# Altium PCB 2014_FDP_PCB.PcbDoc (part 3 of 4)
Units mil, origin at the board's own origin, x right, y up, seen from the top; angles counter-clockwise.
Board outline 4330.71 x 10236.22 mil, 4 copper layers (1-TOP, 2-GND, 3-SIGNAL, 4-BOT); 394 components, 292 nets, 1439 pads, 525 vias.
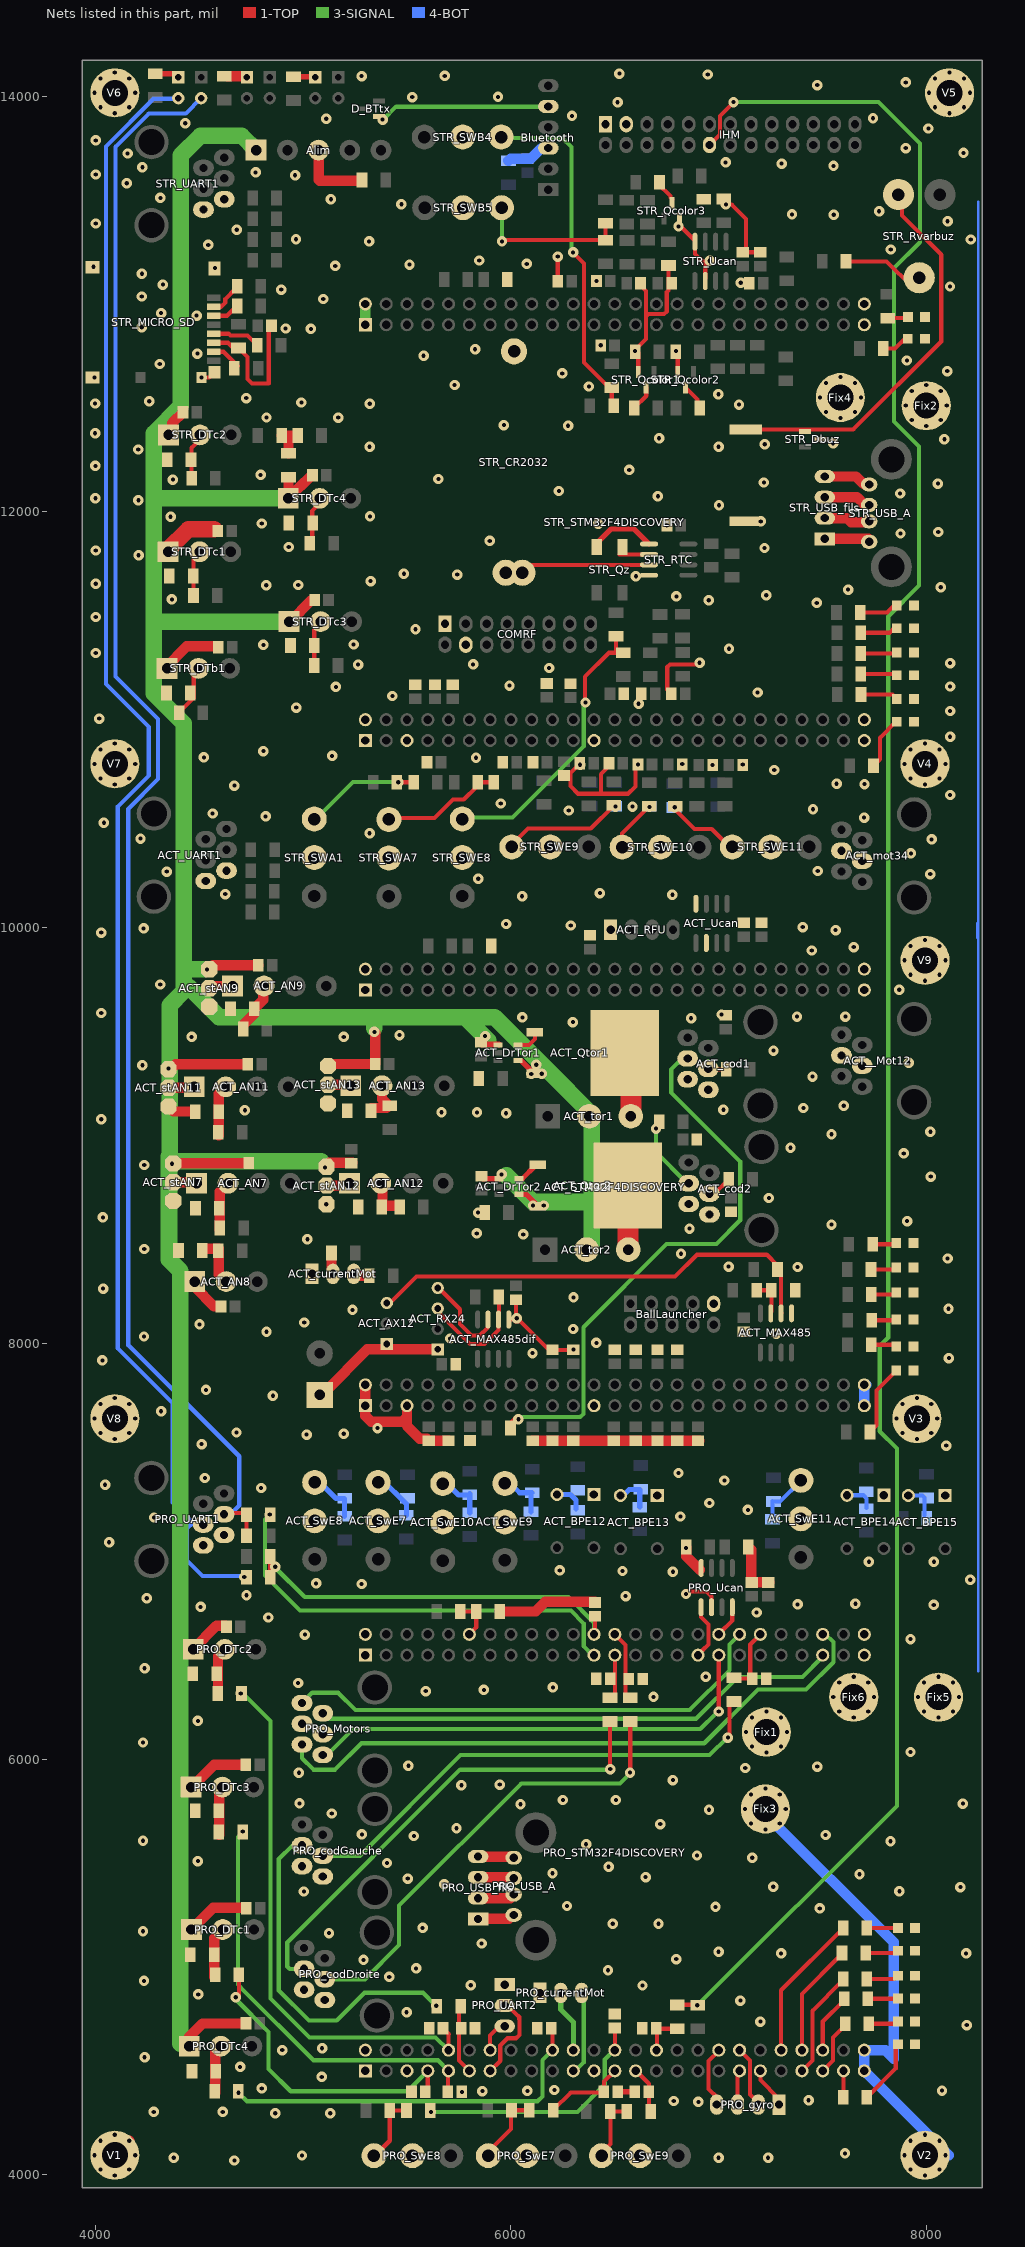
[diagram p5: the nets of this part, all layers, seen from the top]

## Via types
v1: diameter 50, hole 20, 1-TOP to 4-BOT, 525 vias

## Nets (pads, with @x,y where several pads share a name; then routed paths per layer and width w, separated by ;. In a path a pad name is that pad's centre, name@x,y a point inside that pad or via, vN(x,y) a via of type N, cw(c..) or ccw(c..) an arc to the next point about the centre after c; other vN are vias at no path point) (continued)
GND: ACT__Mot12.3 ACT__Mot12.4 ACT_BPE12.1 ACT_BPE13.1 ACT_BPE14.1 ACT_BPE15.1 ACT_Ccod1A.1 ACT_Ccod1B.1 ACT_Ccod2A.1 ACT_Ccod2B.1 ACT_CdCan1.1 ACT_CdCan2.1 ACT_CdMax485.1 ACT_CdMax485dif.1 ACT_CfAn7.1 ACT_CfAn8.1 ACT_CfAn9.1 ACT_CfAn11.1 ACT_CfAn12.1 ACT_CfAn13.1 ACT_CfAn14.1 ACT_CfAn15.1 ACT_CfBPE12.1 ACT_CfBPE13.1 ACT_CfBPE14.1 ACT_CfBPE15.1 ACT_CfswE7.1 ACT_CfswE8.1 ACT_CfswE9.1 ACT_CfswE10.1 ACT_CfswE11.1 ACT_cod1.5 ACT_cod1.6 ACT_cod2.5 ACT_cod2.6 ACT_Cu1rx.1 ACT_currentMot.1 ACT_Dcan.2 ACT_Derror.2 ACT_Drun.2 ACT_DSelftest.2 ACT_Duart.2 ACT_Duser.2 ACT_MAX485.5 ACT_MAX485dif.5 ACT_mot34.3 ACT_mot34.4 ACT_RdwnAn7.1 ACT_RdwnAn8.1 ACT_RdwnAn9.1 ACT_RdwnAn11.1 ACT_RdwnAn12.1 ACT_RdwnAn13.1 ACT_RdwnWAmI.1 ACT_RFU.1 ACT_Rmax485B-.1 ACT_RpdDrTor1.1 ACT_RpdDrTor2.1 ACT_stAN7.3 ACT_stAN9.3 ACT_stAN11.3 ACT_stAN12.3 ACT_stAN13.3 ACT_STM32F4DISCOVERY.1 ACT_STM32F4DISCOVERY.2 ACT_STM32F4DISCOVERY.5 ACT_STM32F4DISCOVERY.23 ACT_STM32F4DISCOVERY.49 ACT_STM32F4DISCOVERY.50 ACT_STM32F4DISCOVERY.51 ACT_STM32F4DISCOVERY.52 ACT_STM32F4DISCOVERY.99 ACT_STM32F4DISCOVERY.100 ACT_SwE7.COMMON1 ACT_SwE8.COMMON1 ACT_SwE9.COMMON1 ACT_SwE10.COMMON1 ACT_SwE11.COMMON1 ACT_UART1.5 ACT_UART1.6 ACT_Ucan.2 ACT_Ucan.8 Alim.3 BallLauncher.9 Bluetooth.3 Cd_5V.1 Cd_BT_1.1 Cd_BT_2.1 COMRF.1 COMRF.4 Fix1.1 Fix2.1 Fix3.1 Fix4.1 Fix5.1 Fix6.1 IHM.1 IHM.3 PRO_CBPE12.1 PRO_CcodDA.1 PRO_CcodDB.1 PRO_CcodGA.1 PRO_CcodGB.1 PRO_CdCan1.1 PRO_CdCan2.1 PRO_CfDTc1.1 PRO_CfDTc2.1 PRO_CfDTc3.1 PRO_CfDTc4.1 PRO_CfswE7.1 PRO_CfswE8.1 PRO_CfswE9.1 PRO_codDroite.5 PRO_codDroite.6 PRO_codGauche.5 PRO_codGauche.6 PRO_Cu1rx.1 PRO_currentMot.1 PRO_Dcan.2 PRO_Derror.2 PRO_Drun.2 PRO_DSelftest.2 PRO_Duart.2 PRO_Duser.2 PRO_Motors.3 PRO_Motors.4 PRO_Rdtc1.1 PRO_Rdtc2.1 PRO_Rdtc3.1 PRO_Rdtc4.1 PRO_RdwnWAmI.1 PRO_STM32F4DISCOVERY.1 PRO_STM32F4DISCOVERY.2 PRO_STM32F4DISCOVERY.5 PRO_STM32F4DISCOVERY.23 PRO_STM32F4DISCOVERY.49 PRO_STM32F4DISCOVERY.50 PRO_STM32F4DISCOVERY.51 PRO_STM32F4DISCOVERY.52 PRO_STM32F4DISCOVERY.99 PRO_STM32F4DISCOVERY.100 PRO_SwE7.COMMON1 PRO_SwE8.COMMON1 PRO_SwE9.COMMON1 PRO_UART1.5 PRO_UART1.6 PRO_UART2.1 PRO_Ucan.2 PRO_Ucan.8 RcanH1.1 RcanH2.2 RcanL1.2 RcanL2.2 STR_Buz.2 STR_Cd1SD.1 STR_Cd2SD.1 STR_Cd_RTC.2 STR_CdCan1.1 STR_CdCan2.1 STR_CfBPA15.1 STR_CfBPC5.1 STR_CfBPD6.1 STR_CfBPD7.1 STR_CfBPE7.1 STR_CfBPE12.1 STR_CfBPE13.1 STR_CfBPE14.1 STR_CfBPE15.1 STR_CfDTb1.1 STR_CfDTc1.1 STR_CfDTc2.1 STR_CfDTc3.1 STR_CfDTc4.1 STR_CfSWA1.1 STR_CfSWA7.1 STR_CfSWB4.1 STR_CfSWB5.1 STR_CfSWE8.1 STR_CfSWE9.1 STR_CfSWE10.1 STR_CfSWE11.1 STR_Cmes24.1 STR_CR2032.2 STR_Cu1rx.1 STR_Dbuz.3 STR_Dc6.2 STR_Dc7.2 STR_Dcan.2 STR_Derror.2 STR_Drun.2 STR_DSelftest.2 STR_Duart.2 STR_Duser.2 STR_MICRO_SD.0 STR_MICRO_SD.6 STR_MICRO_SD.9 STR_Qcolor1.2 STR_Qcolor2.2 STR_Qcolor3.2 STR_Rdtb1.1 STR_Rdtc1.1 STR_Rdtc2.1 STR_Rdtc3.1 STR_Rdtc4.1 STR_RdwnWAmI.1 STR_RpdColor1.1 STR_RpdColor2.1 STR_RpdColor3.1 STR_RTC.4 STR_STM32F4DISCOVERY.1 STR_STM32F4DISCOVERY.2 STR_STM32F4DISCOVERY.5 STR_STM32F4DISCOVERY.23 STR_STM32F4DISCOVERY.49 STR_STM32F4DISCOVERY.50 STR_STM32F4DISCOVERY.51 STR_STM32F4DISCOVERY.52 STR_STM32F4DISCOVERY.99 STR_STM32F4DISCOVERY.100 STR_SWA1.COMMON1 STR_SWA7.COMMON1 STR_SWB4.COMMON1 STR_SWB5.COMMON1 STR_SWE8.COMMON1 STR_SWE9.COMMON1 STR_SWE10.COMMON1 STR_SWE11.COMMON1 STR_UART1.5 STR_UART1.6 STR_Ucan.2 STR_Ucan.8 V1.1 V2.1 V3.1 V4.1 V5.1 V6.1 V7.1 V8.1 V9.1 | length 16896.9
  1-TOP w20: STR_MICRO_SD.9@4511.34,12646.14 4549.14,12646.14 STR_MICRO_SD.0@4576,12673 ; STR_MICRO_SD.6@4570,12813.46 4638.54,12813.46 STR_Cd2SD.1@4671,12781 ; STR_Cd2SD.1@4690,12787.91 4733,12744.91 4733,12639 4755,12617 4835,12617 4835,12882 STR_Cd1SD.1@4840,12887 ; PRO_UART2.1@5970,4915 PRO_UART2.1@5985,4915 ; ACT_MAX485dif.5@5990,8114.49 6007.49,8114.49 v1@6020,8127 ; v1@6021,8106 6046,8106 6186,7966 6200,7966 6202.46,7968.46 ACT_CfAn8.1@6300,7968.46 ; v1@6024,8109 ACT_CdMax485dif.1@6024,8209.54 ; STR_Cu1rx.1@6225.54,13109 v1@6225.54,13222.46 ; STR_CfBPE7.1@6331.54,10790 6286,10744.46 6286,10681 6323,10644 6425,10644 ; STR_CfSWE9.1@6465,10770 6433,10738 6433,10652 6425,10644 ; STR_CfSWE10.1@6599,10774 6599,10679 6564,10644 6425,10644 ; STR_RpdColor1.1@6607,12789 6650,12832 6650,12939 ; STR_Qcolor1.2@6612.6,12672.4 STR_RpdColor1.1@6612.6,12766.4 ; STR_CfBPD7.1@6625,13088 6650,13063 6650,12939 ; STR_RpdColor3.1@6758,13184.91 6758,13065 6750,13057 6750,12964 6737,12951 6662,12951 6650,12939 ; STR_CfBPE14.1@6771.54,11125 6752,11144.54 6752,11253 6765,11266 6895,11266 v1@6901,11272 ; STR_Qcolor2.2@6802.6,12672.4 STR_RpdColor2.1@6802.6,12764.4 ; STR_Qcolor3.2@6811.4,13410.6 6811.4,13378.6 6886,13304 6886,13241 6935,13192 STR_Ucan.2@6935,13121 ; v1@6836,6806 6942,6806 6965,6783 PRO_Ucan.2@6965,6730.51 ; 7061,13478 7062.07,13478 7131.54,13408.54 7131.54,13248.46 STR_CdCan2.1@7200,13248.46
  1-TOP w25: PRO_STM32F4DISCOVERY.23@6400,4500 PRO_STM32F4DISCOVERY.23@6402,4500 ; PRO_CfswE7.1@6513.46,4400 PRO_CfswE9.1@6595,4400
  1-TOP w50: V1.1@4094,4094 V1.1@4094.49,4094.49 V1.1@4164.09,4164.09 ; ACT_stAN11.3@4353,9139 4377,9115 ACT_RdwnAn11.1@4480,9115 ; STR_Rdtc3.1@4939.91,11357 4939.91,11357.09 STR_Rdtc3.1@4942,11355 ; Alim.3@5075,13730 5075,13597.91 5079.91,13593 Cd_5V.1@5277,13593 ; ACT_STM32F4DISCOVERY.2@5300,7800 ACT_STM32F4DISCOVERY.1@5300,7700 5300,7651 5328,7623 5477,7623 5499,7645 ; STR_STM32F4DISCOVERY.51@5300,12899 STR_STM32F4DISCOVERY.51@5300,12900 ; ACT_STM32F4DISCOVERY.5@5500,7700 5500,7603.09 5562.22,7540.87 5595.66,7540.87 ACT_CfAn11.1@5605,7531.54 ACT_CfAn13.1@5700,7531.54 ; PRO_RdwnWAmI.1@5947.09,6710 6119,6710 6166,6757 PRO_Cu1rx.1@6403,6757 ; ACT_CfAn7.1@6105,7531.54 ACT_CfAn15.1@6200,7531.54 ACT_CfAn9.1@6300,7531.54 ACT_CfswE7.1@6495,7531.54 ACT_CfswE9.1@6600,7531.54 ACT_CfswE11.1@6705,7531.54 ACT_CfBPE13.1@6800,7531.54 ACT_CfBPE15.1@6900,7531.54 ACT_CfBPE15.1@6905.46,7531.54 ; RcanH1.1@6842.91,7020 6842.91,6975.09 PRO_Ucan.8@6908,6910 ; RcanL1.2@7142.09,7020 7156,7006.09 7156,6850.09 PRO_CdCan2.1@7244.09,6850.09
  3-SIGNAL w50: STR_STM32F4DISCOVERY.51@5300,12900 STR_STM32F4DISCOVERY.52@5300,12997
  4-BOT w12: 8244,9951 8244,10021 ; 8249,6422 8249,13492
  4-BOT w50: Cd_BT_1.1@5988,13688.09 5998.91,13699 6096,13699 Bluetooth.3@6147,13750 ; Fix3.1@7227,5761 7227,5733 7842,5118 7842,4559 7801,4600 PRO_STM32F4DISCOVERY.50@7700,4600 7700,4506 PRO_STM32F4DISCOVERY.49@7701,4505 ; ACT_STM32F4DISCOVERY.50@7699,7798 7700,7797 ACT_STM32F4DISCOVERY.49@7700,7700 ; PRO_STM32F4DISCOVERY.49@7700,4500 V2.1@8106,4094 ; ACT_STM32F4DISCOVERY.50@7700,7800 ACT_STM32F4DISCOVERY.50@7709,7800
  other v1: 4670,4069 4378,4082 6999,4082 7237,4082 4995,4093 7607,4103 4866,4296 5131,4296 4282,4303 4614,4303 6902,4351 6783,4355 7432,4359 5764,4399 5863,4403 6079,4404 8074,4405 6209,4408 4801,4416 5090,4471 4697,4519 4238,4566 4900,4600 5092,4609 8193,4720 7200,4737 5498,4782 7104,4838 4496,4868 6633,4911 5807,4912 4235,4933 5415,4952 6467,4984 5544,4993 5291,5034 6795,5038 7300,5065 8190,5065 6999,5073 5859,5113 5125,5163 4230,5172 5575,5188 6490,5208 6710,5208 7486,5282 6984,5289 6270,5293 5004,5363 7869,5364 8162,5384 7262,5386 5680,5397 5504,5425 6648,5432 7677,5446 6200,5451 6470,5482 5404,5500 4494,5509 7161,5525 6895,5536 6362,5590 7826,5605 4230,5607 5533,5630 7514,5635 5283,5638 5738,5667 6718,5687 5138,5738 6953,5756 6046,5783 8174,5786 4983,5787 6250,5803 6505,5803 5762,5874 5946,5877 6779,5899 4980,5934 7127,5957 7474,5964 5507,5968 7922,6034 4230,6080 4494,6184 6686,6299 5590,6327 5870,6333 6202,6345 4976,6366 6937,6396 4238,6437 7922,6577 5009,6599 4833,6681 7182,6705 4507,6732 8034,6742 7379,6744 7657,6747 4248,6774 6552,6784 4728,6788 6842,6794 5282,6842 5063,6845 8210,6863 6779,6901 6537,6905 6235,6908 7722,6949 8035,6949 6843,7015 4067,7043 4283,7162 6815,7167 7140,7199 6955,7232 4798,7304 4048,7320 7027,7340 4528,7352 6806,7376 8094,7508 4512,7515 5017,7561 5196,7565 4680,7571 5358,7592 4317,7673 4855,7748 4533,7776 4035,7918 8107,7929 6104,7953 6301,7970 6411,8002 5708,8023 4235,8033 7276,8047 7118,8055 4824,8056 6299,8069 4502,8091 5006,8100 6028,8121 5238,8161 8105,8166 6301,8221 4038,8263 7379,8367 7047,8369 8101,8408 6818,8431 4236,8454 5021,8501 6059,8524 5836,8529 6859,8552 7542,8571 7906,8588 4037,8606 5842,8629 5112,8669 7241,8699 8020,8802 4236,8858 7890,8914 7345,8941 7542,9006 8018,9018 4029,9078 5977,9107 5837,9111 5666,9112 4720,9121 7022,9124 7407,9132 7601,9143 7451,9283 4227,9338 7913,9350 7263,9408 4464,9474 5196,9474 5464,9483 6298,9545 6867,9564 6055,9568 7376,9572 7609,9572 7013,9582 4029,9589 7868,9701 4313,9726 7447,9890 7649,9906 4029,9976 7562,9988 4233,9996 7404,10002 6288,10010 5977,10017 6054,10151 6777,10158 4626,10161 6428,10166 5843,10235 8017,10257 4344,10269 7476,10272 7924,10357 8024,10424 4218,10428 5320,10454 4042,10504 7699,10529 4820,10535 4565,10549 6278,10563 7453,10569 6585,10582 5951,10597 8113,10638 4670,10683 7701,10690 7567,10692 7267,10758 6970,10782 6333,10783 6612,10784 7115,10784 6824,10787 5832,10817 4523,10819 5140,10826 4809,10849 8113,10918 4020,11005 8113,11042 4967,11058 6614,11077 5430,11114 7187,11131 5158,11158 8113,11160 5993,11164 6184,11249 5265,11265 5818,11266 8113,11272 6908,11274 4003,11321 7049,11341 4809,11360 5243,11362 5541,11435 4003,11494 7471,11562 6952,11575 4369,11579 6796,11593 7228,11599 7622,11626 8068,11637 4823,11647 4977,11648 4003,11654 5325,11667 6601,11690 5742,11698 5485,11702 4209,11791 4003,11814 7220,11826 4931,11831 5898,11860 7874,11896 8056,11903 6750,11935 6421,11943 4801,11944 7202,11954 4363,11976 5322,11978 7001,12032 4208,12056 4001,12065 6707,12075 7872,12088 6231,12100 8054,12136 7217,12141 4374,12155 5651,12158 4796,12178 6569,12202 4001,12221 4207,12300 5320,12313 6999,12313 7221,12325 7550,12330 8085,12349 6713,12354 4000,12378 6275,12414 5966,12417 5169,12453 4824,12454 7097,12516 5321,12520 4000,12521 4992,12526 4260,12532 4727,12547 6998,12566 6375,12603 5729,12610 3997,12646 4512,12646 6247,12666 8099,12677 4311,12711 7905,12728 5580,12751 4492,12761 6597,12773 6794,12773 5828,12782 6432,12801 5038,12880 4916,12882 4224,12888 4488,12944 4317,12956 5097,13024 4224,13036 4895,13069 8112,13084 4326,13093 7106,13102 6411,13110 4225,13145 4577,13173 3992,13179 5155,13183 5512,13189 6076,13193 6956,13208 5848,13209 6225,13228 7827,13262 4544,13284 5318,13301 8212,13310 4966,13311 4681,13357 6806,13373 4003,13387 8101,13398 7553,13429 7352,13431 7771,13446 7034,13479 5473,13480 5134,13504 4314,13510 4152,13581 4962,13619 4003,13623 4772,13633 4227,13658 7552,13664 7302,13675 7033,13681 4156,13724 8177,13727 7899,13750 4003,13787 8008,13844 4433,13869 5112,13891 7742,13893 6294,13905 6513,13970 5525,13995 5938,13996 7474,14053 7899,14066 5282,14096 5682,14097 6947,14104 6522,14108
GND_12: 12V.1 ACT_AX12.1 ACT_RX24.1 | length 625
  1-TOP w50: 12V.1@5107,7768 5309.72,7970.72 ACT_RX24.1@5648,7970.72
GND_24: ACT_AN8.1 ACT_CdAN7.1 ACT_CdAN8.1 ACT_CdAN9.1 ACT_CdAN11.1 ACT_CdAN12.1 ACT_CdAN13.1 ACT_CdDrTor1.2 ACT_CdDrTor2.2 ACT_DrTor1.1 ACT_DrTor1.4 ACT_DrTor2.1 ACT_DrTor2.4 ACT_Qtor1.3 ACT_Qtor2.3 ACT_stAN7.1 ACT_stAN9.1 ACT_stAN11.1 ACT_stAN12.1 ACT_stAN13.1 ACT_tor1.2 ACT_tor2.2 Alim.1 PRO_CdDtc1.1 PRO_CdDtc2.1 PRO_CdDtc3.1 PRO_CdDtc4.1 PRO_DTc1.1 PRO_DTc2.1 PRO_DTc3.1 PRO_DTc4.1 STR_CdDtb1.1 STR_CdDtc1.1 STR_CdDtc2.1 STR_CdDtc3.1 STR_CdDtc4.1 STR_DTb1.1 STR_DTc1.1 STR_DTc2.1 STR_DTc3.1 STR_DTc4.1 STR_mes24-.1 | length 19859.5
  1-TOP w25: ACT_CdDrTor2.2@5866.6,8791.4 ACT_DrTor2.1@5943.76,8791.4 ; ACT_DrTor1.4@6033.25,9360.61 6048.39,9360.61 ACT_Qtor1.3@6108,9301 ; ACT_DrTor2.4@6038.24,8716.6 6074.4,8716.6 ACT_Qtor2.3@6130,8661
  1-TOP w30: ACT_CdDrTor1.2@5862.46,9438 ACT_DrTor1.1@5943,9438
  1-TOP w50: STR_DTc2.1@4335,12388.02 STR_DTc2.1@4353.01,12370.01 ; STR_DTb1.1@4336,11248 4441,11353 STR_CdDtb1.1@4574,11353 ; ACT_stAN11.1@4353,9319 4363,9319 4387,9343 ACT_CdAN11.1@4726,9343 ; ACT_stAN7.1@4369,8867 ACT_CdAN7.1@4740,8867 ; STR_DTc2.1@4371,12384 4371,12427.46 STR_CdDtc2.1@4422.54,12479 ; PRO_DTc4.1@4453,4618 4453,4663.46 4517.54,4728 PRO_CdDtc4.1@4716,4728 ; PRO_DTc3.1@4462,5863 4572,5973 PRO_CdDtc3.1@4709,5973 ; PRO_DTc1.1@4465,5181 4568,5284 PRO_CdDtc1.1@4725,5284 ; PRO_DTc2.1@4471,6528.46 4583.54,6641 PRO_CdDtc2.1@4626,6641 ; ACT_AN8.1@4478,8272 4573,8177 ACT_CdAN8.1@4605.54,8177 ; ACT_stAN9.1@4568,9819 ACT_CdAN9.1@4784.54,9819 ; STR_DTc4.1@4929,12065 5003,12139 ; STR_DTc4.1@4930,12065 5041,12176 STR_CdDtc4.1@5045.54,12176 ; STR_DTc4.1@4930,12069 STR_mes24-.1@4930,12166.91 ; STR_DTc3.1@4935,11470 5041,11576 STR_CdDtc3.1@5055.54,11576 ; ACT_stAN12.1@5114,8856 5127,8869 ACT_CdAN12.1@5238,8869 ; ACT_stAN13.1@5133,9344 ACT_CdAN13.1@5346.54,9344 v1@5346.54,9495 ; ACT_tor2.2@6364,8437 ACT_tor2.2@6364,8451
  1-TOP w80: STR_DTc1.1@4351,11808 4351,11819 4448,11916 STR_CdDtc1.1@4573,11916
  3-SIGNAL w50: 4288,11296 4341,11243 STR_DTb1.1@4341,11251 ; STR_DTc3.1@4922,11469 4924,11471 STR_DTc3.1@4929,11476
  3-SIGNAL w80: 4285,11471 4924,11471 STR_DTc3.1@4927,11471 ; 4287,12065 STR_DTc4.1@4929,12065 ; 4355,8899 4355,8403 4410,8348 PRO_DTc4.1@4410,4632 ; PRO_DTc1.1@4433,5190 PRO_DTc1.1@4448,5175 ; 4449,9716 4596,9569 5342,9569 ; v1@4529,9800 4448,9800 4426,9778 ; Alim.1@4774,13740 4705,13809 4506,13809 4411,13714 4411,12507 4282,12378 4282,11126 4426,10982 4426,9778 ; 5088,8876 4358,8876 4358,9626 4426,9694 4426,9778 ; v1@5342,9515 5342,9569 ; 5781,9567 v1@5890,9458 ; v1@5979,8808 5979,8807 6106,8680 6388,8680 ; ACT_tor2.2@6388,8462 6388,8680 ; 6388,8639 6388,8680 ; 5342,9569 5921,9569 6170.5,9319.5 6388,9102 6388,8680
  other v1: 6106,8663 6158,8663 5955,8813 5105,8846 4369,8864 6098,9296 6148,9297 4353,9322 6122,9340 5876,9478 5343,9498 4538,9799
MAXD: ACT_AX12.3 ACT_MAX485.6 ACT_RpuMAX485.1 | length 2238.3
  1-TOP w20: ACT_AX12.3@5404,8180 5545,8321 6790,8321 6895,8426 7231,8426 7282.09,8374.91 ACT_RpuMAX485.1@7282.09,8355 7299,8338.09 7299,8149 ACT_MAX485.6@7302,8146
MAXD+: ACT_MAX485dif.6 ACT_RpuMax485dif.1 ACT_RX24.3 | length 547
  1-TOP w20: ACT_RX24.3@5656,8144 5803,7997 5873,7997 5940,8064 ACT_MAX485dif.6@5940,8114.49 ; ACT_MAX485dif.6@5942.09,8101.09 ACT_RpuMax485dif.1@5942.09,8225
MAXD-: ACT_MAX485dif.7 ACT_RX24.4 | length 410.5
  1-TOP w20: ACT_RX24.4@5665,8254 5755,8164 5755,8093 5811,8037 5850,8037 5890,8077 ACT_MAX485dif.7@5890,8114.49
NetACT_AN7_1: ACT_AN7.1 ACT_stAN7.2 | length 91
  1-TOP w50: ACT_stAN7.2@4375,8775 ACT_AN7.1@4466,8775
NetACT_AN7_2: ACT_AN7.2 ACT_RdwnAn7.2 ACT_RfAn7.2 | length 239.6
  1-TOP w50: ACT_RfAn7.2@4599,8547 4599,8730 ACT_AN7.2@4639.01,8770.01
NetACT_AN8_2: ACT_AN8.2 ACT_RdwnAn8.2 ACT_RfAn8.2 | length 254.7
  1-TOP w50: ACT_RdwnAn8.2@4514,8452 4517,8455 4595,8455 4595,8332 ACT_AN8.2@4630,8297
NetACT_AN9_1: ACT_AN9.1 ACT_stAN9.2 | length 99
  1-TOP w50: ACT_stAN9.2@4562.01,9719.01 ACT_AN9.1@4661.01,9719.01
NetACT_AN9_2: ACT_AN9.2 ACT_RdwnAn9.2 ACT_RfAn9.2 | length 239.4
  1-TOP w50: ACT_RfAn9.2@4713,9533 4765.09,9585.09 ACT_RdwnAn9.2@4765.09,9609 4808,9651.91 ACT_AN9.2@4808,9706 ; ACT_AN9.2@4812.01,9691.99 ACT_AN9.2@4812.01,9719.01
NetACT_AN11_1: ACT_AN11.1 ACT_stAN11.2 | length 120
  1-TOP w50: ACT_stAN11.2@4353,9229 ACT_AN11.1@4473,9229
NetACT_AN11_2: ACT_AN11.2 ACT_RdwnAn11.2 ACT_RfAn11.2 | length 247.1
  1-TOP w50: ACT_RfAn11.2@4594,9001 4594,9200 ACT_AN11.2@4628,9234
NetACT_AN12_1: ACT_AN12.1 ACT_stAN12.2 | length 114
  1-TOP w50: ACT_stAN12.2@5113,8759 ACT_AN12.1@5227,8759
NetACT_AN12_2: ACT_AN12.2 ACT_RdwnAn12.2 ACT_RfAn12.2 | length 180.4
  1-TOP w50: ACT_AN12.2@5382,8771 5382,8661 5451,8661 ACT_RfAn12.2@5452,8660
NetACT_AN13_1: ACT_AN13.1 ACT_stAN13.2 | length 89
  1-TOP w50: ACT_stAN13.2@5120,9244 ACT_AN13.1@5209,9244
NetACT_AN13_2: ACT_AN13.2 ACT_RdwnAn13.2 ACT_RfAn13.2 | length 195.8
  1-TOP w50: ACT_RdwnAn13.2@5330,9132 5401,9132 5412,9143 5380,9175 ACT_AN13.2@5380,9239
NetACT_BPE12_3: ACT_BPE12.3 ACT_RpuBPE12.1 ACT_RsBPE12.1 | length 144.3
  4-BOT w25: ACT_BPE12.3@6221.83,7273 6286,7273 6313,7246 ACT_RpuBPE12.1@6313,7204
NetACT_BPE13_3: ACT_BPE13.3 ACT_RpuBPE13.1 ACT_RsBPE13.1 | length 169.9
  4-BOT w25: ACT_BPE13.3@6545,7273 6569,7297 6620,7297 ACT_RpuBPE13.1@6620,7212.09
NetACT_BPE14_3: ACT_BPE14.3 ACT_RpuBPE14.1 ACT_RsBPE14.1 | length 146.4
  4-BOT w20: ACT_BPE14.3@7616.84,7269.01 7696.01,7269.01 7711,7254.02 ACT_RpuBPE14.1@7711,7208
NetACT_BPE15_3: ACT_BPE15.3 ACT_RpuBPE15.1 ACT_RsBPE15.1 | length 166.9
  4-BOT w20: ACT_BPE15.3@7911.83,7268 7980,7268 7989,7259 ACT_RpuBPE15.1@7989,7173
NetACT_cod1_3: ACT_cod1.3 ACT_RCod1A.2 | length 2698.8
  1-TOP w20: ACT_RCod1A.2@5998.09,7593 5998.09,7616.09 v1@6019,7637
  3-SIGNAL w20: v1@6036,7645.2 6333.2,7645.2 6348.5,7660.5 6348.5,8077.5 6749,8478 6989,8478 7103,8592 7103,8875 6771,9207 6771,9318 ACT_cod1.3@6827,9374
  other v1: 6036,7635
NetACT_cod1_4: ACT_cod1.4 ACT_RCod1B.2 | length 68.9
  1-TOP w20: ACT_cod1.4@6967,9318 ACT_RCod1B.2@7035.91,9318
NetACT_cod2_3: ACT_cod2.3 ACT_RCod2A.2 | length 318.1
  3-SIGNAL w20: v1(6698,9033) 6698,8920 ACT_cod2.3@6843,8775
NetACT_cod2_4: ACT_cod2.4 ACT_RCod2B.2 | length 102.9
  1-TOP w20: ACT_cod2.4@6974,8719 6977.91,8719 ACT_RCod2B.2@7047.91,8789
NetACT_currentMot_2: ACT_currentMot.2 ACT_RfAn15.2 | length 97.9
  1-TOP w50: ACT_currentMot.2@5136.91,8337.09 ACT_RfAn15.2@5136.91,8435
NetACT_currentMot_3: ACT_currentMot.3 ACT_RfAn14.2 | length 62.9
  1-TOP w50: ACT_currentMot.3@5256,8325 ACT_RfAn14.2@5318.91,8325
NetACT_Dcan_1: ACT_Dcan.1 ACT_Rdcan.2 | length 104.9
  1-TOP w20: ACT_Rdcan.2@7733.09,7993 ACT_Dcan.1@7838,7993
NetACT_Derror_1: ACT_Derror.1 ACT_Rderror.2 | length 103.9
  1-TOP w20: ACT_Rderror.2@7740.09,8477.01 ACT_Derror.1@7844.01,8477.01
NetACT_DrTor1_5: ACT_DrTor1.5 ACT_Qtor1.1 | length 122.6
  1-TOP w20: ACT_DrTor1.5@6033.25,9435.41 6087.41,9435.41 6116,9464 ACT_Qtor1.1@6116,9492
NetACT_DrTor2_5: ACT_DrTor2.5 ACT_Qtor2.1 | length 107.5
  1-TOP w25: ACT_DrTor2.5@6038.24,8791.4 6054.4,8791.4 ACT_Qtor2.1@6119,8856
NetACT_Drun_1: ACT_Drun.1 ACT_Rdrun.2 | length 108.9
  1-TOP w20: ACT_Rdrun.2@7732.09,8355 ACT_Drun.1@7841,8355
NetACT_DSelftest_1: ACT_DSelftest.1 ACT_Rdselftest.2 | length 103.9
  1-TOP w20: ACT_Rdselftest.2@7734.09,8235 ACT_DSelftest.1@7838,8235
NetACT_Duart_1: ACT_Duart.1 ACT_Rduart.2 | length 115.9
  1-TOP w20: ACT_Rduart.2@7735.09,8111 ACT_Duart.1@7851,8111
NetACT_Duser_1: ACT_Duser.1 ACT_Rduser.2 | length 345.7
  1-TOP w20: ACT_Rduser.2@7727.09,7573 7758,7603.91 7758,7773 ACT_Duser.1@7852,7867
NetACT_JPr_1: ACT_JPr.1 ACT_Rjpt.1 | length 89.6
  1-TOP w50: ACT_Rjpt.1@4638.09,14096 4722,14096 ACT_JPr.1@4726,14092
NetACT_MAX485_7: ACT_MAX485.7 ACT_Rmax485B+.1 ACT_Rmax485B-.2 | length 172.9
  1-TOP w20: ACT_Rmax485B+.1@7182.09,8255 ACT_Rmax485B-.2@7252.91,8255 7253,8255 ACT_MAX485.7@7253,8153
NetACT_Qtor1_2: ACT_Qtor1.2 ACT_tor1.3 | length 321.2
  1-TOP w100: ACT_Qtor1.2@6547.54,9397.01 6577,9367.55 ACT_tor1.3@6577,9088
NetACT_Qtor2_2: ACT_Qtor2.2 ACT_tor2.3 | length 312.5
  1-TOP w100: ACT_tor2.3@6562.54,8446.54 ACT_Qtor2.2@6562.54,8759.01
NetACT_RpuswE7_1: ACT_RpuswE7.1 ACT_RsSwE7.1 ACT_SwE7.NO1 | length 237.8
  4-BOT w25: ACT_SwE7.NO1@5362,7345 5379,7345 5497,7227 ACT_RpuswE7.1@5497,7173.09
NetACT_RpuswE8_1: ACT_RpuswE8.1 ACT_RsSwE8.1 ACT_SwE8.NO1 | length 255.5
  4-BOT w25: ACT_SwE8.NO1@5061,7352 5159.09,7253.91 ACT_RsSwE8.1@5200,7253.91 ; ACT_RpuswE8.1@5200,7168.09 ACT_RsSwE8.1@5200,7244
NetACT_RpuswE9_1: ACT_RpuswE9.1 ACT_RsSwE9.1 ACT_SwE9.NO1 | length 243.1
  4-BOT w25: ACT_SwE9.NO1@5974,7349 6042.09,7280.91 ACT_RsSwE9.1@6102,7280.91 ; ACT_RpuswE9.1@6097,7190.09 ACT_RsSwE9.1@6097,7277
NetACT_RpuswE10_1: ACT_RpuswE10.1 ACT_RsSwE10.1 ACT_SwE10.NO1 | length 239.3
  4-BOT w25: ACT_SwE10.NO1@5682,7337 5748.09,7270.91 ACT_RsSwE10.1@5802,7270.91 ; ACT_RpuswE10.1@5802,7185.09 ACT_RsSwE10.1@5802,7270.91 ; ACT_RsSwE10.1@5802,7277 ACT_RsSwE10.1@5802,7270.91
NetACT_RpuswE11_1: ACT_RpuswE11.1 ACT_RsSwE11.1 ACT_SwE11.NO1 | length 258.1
  4-BOT w20: ACT_RpuswE11.1@7258,7153.09 ACT_RsSwE11.1@7258,7242 ; ACT_RsSwE11.1@7263,7238.91 7294.91,7238.91 ACT_SwE11.NO1@7392,7336
NetBluetooth_5: Bluetooth.5 D_BTtx.1 | length 792.7
  3-SIGNAL w20: v1(5383,13887) 5386,13887 5448,13949 Bluetooth.5@6150,13949
NetPRO_codDroite_3: PRO_codDroite.3 PRO_RCodDB.2 | length 2331.9
  1-TOP w20: v1@6477,5955 PRO_RCodDB.2@6477,6180.91
  3-SIGNAL w20: PRO_codDroite.3@5005,4990 4936,4990 4924,5002 4924,5117 5756,5949 6466,5949 v1@6479,5936
  other v1: 6478,5952
NetPRO_codDroite_4: PRO_codDroite.4 PRO_RCodDA.2 | length 2230.3
  1-TOP w20: v1@6574,5940 PRO_RCodDA.2@6574,6180.91
  3-SIGNAL w20: PRO_codDroite.4@5105,4941 5298,4941 5462,5105 5462,5295 6050,5883 6525,5883 v1@6573,5931
  other v1: 6573,5935
NetPRO_codGauche_3: PRO_codGauche.3 PRO_RCodGB.2 | length 1667.2
  3-SIGNAL w20: PRO_codGauche.3@4995,5585 4949,5585 4883,5519 4883,4887 5028,4742 5162,4742 5296,4876 5577,4876 v1@5638,4815
  other v1: 5641,4813
NetPRO_codGauche_4: PRO_codGauche.4 PRO_RCodGA.2 | length 2370.7
  1-TOP w20: v1@7052,6102 PRO_RCodGA.2@7052,6291
  3-SIGNAL w20: PRO_codGauche.4@5095,5535 5274,5535 5758,6019 6956,6019 v1@7041,6104
  other v1: 7044,6103
NetPRO_Dcan_1: PRO_Dcan.1 PRO_Rdcan.2 | length 147.5
  1-TOP w20: PRO_Rdcan.2@7722.09,4727.01 7847.01,4727.01 PRO_Dcan.1@7863,4743
NetPRO_Derror_1: PRO_Derror.1 PRO_Rderror.2 | length 147.9
  1-TOP w20: PRO_Rderror.2@7712.09,5187.01 PRO_Derror.1@7859.99,5187.01
NetPRO_Drun_1: PRO_Drun.1 PRO_Rdrun.2 | length 132.9
  1-TOP w20: PRO_Rdrun.2@7707.09,5067.01 PRO_Drun.1@7840.01,5067.01
NetPRO_DSelftest_1: PRO_DSelftest.1 PRO_Rdselftest.2 | length 152.5
  1-TOP w20: PRO_Rdselftest.2@7712.09,4942.01 7842.01,4942.01 PRO_DSelftest.1@7858,4958
NetPRO_DTc1_2: PRO_DTc1.2 PRO_Rdtc1.2 PRO_RfDTc1.1 | length 245
  1-TOP w50: PRO_RfDTc1.1@4573,4952 4573,5139 PRO_DTc1.2@4614.01,5180.01
NetPRO_DTc2_2: PRO_DTc2.2 PRO_Rdtc2.2 PRO_RfDTc2.1 | length 235.3
  1-TOP w50: PRO_RfDTc2.1@4591,6306 4591,6496 PRO_DTc2.2@4623.01,6528.01
NetPRO_DTc3_2: PRO_DTc3.2 PRO_Rdtc3.2 PRO_RfDTc3.1 | length 236.2
  1-TOP w50: PRO_RfDTc3.1@4597,5635 4597,5751 4597,5850 PRO_DTc3.2@4612.01,5865.01
NetPRO_DTc4_2: PRO_DTc4.2 PRO_Rdtc4.2 PRO_RfDTc4.1 | length 235.8
  1-TOP w50: PRO_RfDTc4.1@4578,4394 4578,4498 4578,4593 PRO_DTc4.2@4604.01,4619.01
NetPRO_Duart_1: PRO_Duart.1 PRO_Rduart.2 | length 142.9
  1-TOP w20: PRO_Rduart.2@7717.09,4847.01 PRO_Duart.1@7859.99,4847.01
NetPRO_Duser_1: PRO_Duser.1 PRO_Rduser.2 | length 311.5
  1-TOP w20: PRO_Rduser.2@7712.09,4373 7851,4511.91 PRO_Duser.1@7851,4627
NetPRO_JPr_1: PRO_JPr.1 PRO_Rjpt.1 | length 105.7
  1-TOP w25: PRO_Rjpt.1@4289,14107.09 4388.91,14107.09 PRO_JPr.1@4393,14103
NetPRO_RpuswE7_1: PRO_RpuswE7.1 PRO_RsSwE7.1 PRO_SwE7.NO1 | length 335.4
  1-TOP w20: PRO_SwE7.NO1@5888,4108 6000,4220 6000,4306 6005,4311 PRO_RsSwE7.1@6088.91,4311
NetPRO_RpuswE8_1: PRO_RpuswE8.1 PRO_RsSwE8.1 PRO_SwE8.NO1 | length 319.2
  1-TOP w20: PRO_SwE8.NO1@5344,4091 5417.09,4164.09 PRO_RpuswE8.1@5417.09,4310 ; PRO_RpuswE8.1@5428,4310 PRO_RsSwE8.1@5497.91,4310
NetPRO_RpuswE9_1: PRO_RpuswE9.1 PRO_RsSwE9.1 PRO_SwE9.NO1 | length 305.2
  1-TOP w20: PRO_SwE9.NO1@6430,4099 6479,4148 6479,4305 PRO_RsSwE9.1@6557.91,4305
NetPRO_USB_A_1: PRO_USB_A.1 PRO_USB_fils.1 | length 176.3
  1-TOP w50: PRO_USB_fils.1@5842,5231 5990,5231 PRO_USB_A.1@6010,5251
NetPRO_USB_A_2: PRO_USB_A.2 PRO_USB_fils.2 | length 155
  1-TOP w50: PRO_USB_fils.2@5842,5331 PRO_USB_A.2@5997,5331
NetPRO_USB_A_3: PRO_USB_A.3 PRO_USB_fils.3 | length 168
  1-TOP w50: PRO_USB_fils.3@5842,5431 PRO_USB_A.3@6010,5431
NetPRO_USB_A_4: PRO_USB_A.4 PRO_USB_fils.4 | length 163
  1-TOP w50: PRO_USB_fils.4@5842,5531 PRO_USB_A.4@6005,5531
NetSTR_Buz_1: STR_Buz.1 STR_Dbuz.1 STR_Rvarbuz.3 | length 1875.3
  1-TOP w20: STR_Buz.1@7130,12395.47 7646.47,12395.47 8070,12819 8070,13237 7882,13425 STR_Rvarbuz.3@7882,13501
NetSTR_CR2032_1: STR_CR2032.1 STR_RTC.3 | length 622.7
  1-TOP w20: STR_CR2032.1@6055,11707 6093,11745 STR_RTC.3@6662,11745
NetSTR_Dc6_1: STR_Dc6.1 STR_RledC6.2 | length 133.3
  1-TOP w20: STR_RledC6.2@7791.09,12786 7848,12786 STR_Dc6.1@7902,12840
NetSTR_Dc7_1: STR_Dc7.1 STR_RledC7.2 | length 94.9
  1-TOP w20: STR_RledC7.2@7813,12931.91 STR_Dc7.1@7907.91,12931.91
NetSTR_Dcan_1: STR_Dcan.1 STR_Rdcan.2 | length 180.6
  1-TOP w20: STR_Rdcan.2@7684.09,11121 7835,11121 STR_Dcan.1@7856,11100
NetSTR_Derror_1: STR_Derror.1 STR_Rderror.2 | length 186.5
  1-TOP w20: STR_Rderror.2@7680.09,11516 7810,11516 STR_Derror.1@7850,11556
NetSTR_Drun_1: STR_Drun.1 STR_Rdrun.2 | length 180.3
  1-TOP w20: STR_Rdrun.2@7683.09,11418 7821,11418 STR_Drun.1@7851,11448
NetSTR_DSelftest_1: STR_DSelftest.1 STR_Rdselftest.2 | length 173.4
  1-TOP w20: STR_Rdselftest.2@7683.09,11319 7847,11319 7853,11325 STR_DSelftest.1@7854,11325
NetSTR_DTb1_2: STR_DTb1.2 STR_Rdtb1.2 STR_RfDTb1.1 | length 222
  1-TOP w20: STR_RfDTb1.1@4403.91,11034 4474,11104.09 STR_DTb1.2@4474,11227
NetSTR_DTc1_2: STR_DTc1.2 STR_Rdtc1.2 STR_RfDTc1.1 | length 213.1
  1-TOP w20: STR_RfDTc1.1@4472.91,11597 4472.91,11785.91 STR_DTc1.2@4490,11803
NetSTR_DTc2_2: STR_DTc2.2 STR_Rdtc2.2 STR_RfDTc2.1 | length 207.8
  1-TOP w20: STR_RfDTc2.1@4463.91,12161 4463.91,12307.91 STR_DTc2.2@4507,12351
NetSTR_DTc3_2: STR_DTc3.2 STR_Rdtc3.2 STR_RfDTc3.1 | length 219.3
  1-TOP w20: STR_RfDTc3.1@5053.91,11261 STR_Rdtc3.2@5053.91,11352.91 ; STR_Rdtc3.2@5054.09,11357 5054.09,11442.09 STR_DTc3.2@5084,11472
NetSTR_DTc4_2: STR_DTc4.2 STR_Rdtc4.2 STR_RfDTc4.1 | length 215.8
  1-TOP w20: STR_RfDTc4.1@5043.91,11849 5043.91,12003.91 STR_DTc4.2@5087,12047
NetSTR_Duart_1: STR_Duart.1 STR_Rduart.2 | length 168.6
  1-TOP w20: STR_Rduart.2@7683.09,11220 7846,11220 STR_Duart.1@7850,11216
NetSTR_Duser_1: STR_Duser.1 STR_Rduser.2 | length 254.3
  1-TOP w20: STR_Rduser.2@7744.09,10778 7776,10809.91 7776,10913 STR_Duser.1@7851,10988
NetSTR_JPr_1: STR_JPr.1 STR_Rjpt.1 | length 95.9
  1-TOP w25: STR_Rjpt.1@4954,14093.09 STR_JPr.1@5049.91,14093.09
NetSTR_mes24+_1: STR_mes24+.1 STR_mes24-.2 STR_Rsmed24.1 | length 148.8
  1-TOP w50: STR_mes24+.1@4897.09,12367 STR_Rsmed24.1@4967,12367 ; STR_mes24-.2@4930,12281.09 4930,12360
NetSTR_MICRO_SD_2: STR_MICRO_SD.2 STR_RsdCS.2 | length 150.7
  1-TOP w20: STR_MICRO_SD.2@4570,12986.69 4605.69,12986.69 4626,13007 4626,13024 STR_RsdCS.2@4675,13073
NetSTR_MICRO_SD_3: STR_MICRO_SD.3 STR_RsdMosi.2 | length 120.4
  1-TOP w20: STR_MICRO_SD.3@4570,12943.39 4634.39,12943.39 STR_RsdMosi.2@4674,12983
NetSTR_MICRO_SD_5: STR_MICRO_SD.5 STR_RsdSck.2 | length 221.8
  1-TOP w20: STR_MICRO_SD.5@4570,12856.77 4642.23,12856.77 4651,12848 4733,12848 STR_RsdSck.2@4772,12809
NetSTR_MICRO_SD_7: STR_MICRO_SD.7 STR_RsdMiso.2 | length 145.6
  1-TOP w20: STR_MICRO_SD.7@4570,12770.16 4617.84,12770.16 STR_RsdMiso.2@4687,12701
NetSTR_Qcolor1_3: STR_Qcolor1.3 STR_RledColor1.1 | length 122.1
  1-TOP w20: STR_RledColor1.1@6592.91,12500 6651,12558.09 STR_Qcolor1.3@6651,12598
NetSTR_Qcolor2_3: STR_Qcolor2.3 STR_RledColor2.1 | length 124.2
  1-TOP w20: STR_Qcolor2.3@6840,12597.6 6897,12540.6 STR_RledColor2.1@6897,12497
NetSTR_Qcolor3_3: STR_Qcolor3.3 STR_RledColor3.1 | length 104
  1-TOP w20: STR_RledColor3.1@6708,13578 6767,13519 6767,13511.4 STR_Qcolor3.3@6776.2,13502.2
NetSTR_Qz_1: STR_Qz.1 STR_RTC.1 | length 305.7
  1-TOP w25: STR_Qz.1@6416,11853 6481,11918 6591.51,11918 STR_RTC.1@6664.51,11845
NetSTR_Qz_4: STR_Qz.4 STR_RTC.2 | length 141.5
  1-TOP w20: STR_Qz.4@6523,11795 STR_RTC.2@6664.51,11795
NetSTR_RpuSB4_1: STR_RpuSB4.1 STR_RsSWB4.1 STR_SWB4.NO1 | length 1664.7
  1-TOP w20: v1@6311,13235 6351,13195 6351,12718 STR_RsSWB4.1@6476,12593 ; STR_RpuSB4.1@6485,12499 STR_RsSWB4.1@6485,12598
  3-SIGNAL w20: STR_SWB4.NO1@5965,13799 6247,13799 6291,13755 6291,13258 v1@6301,13248
  other v1: 6299,13248
NetSTR_RpuSWA1_1: STR_RpuSWA1.1 STR_RsSWA1.1 STR_SWA1.NO1 | length 529.8
  1-TOP w20: STR_RpuSWA1.1@5470,10699 STR_RsSWA1.1@5531.91,10699
  3-SIGNAL w20: STR_SWA1.NO1@5064,10524.04 5239.96,10700 v1@5459,10700
  other v1: 5458,10699
NetSTR_RpuSWA7_1: STR_RpuSWA7.1 STR_RsSWA7.1 STR_SWA7.NO1 | length 586
  1-TOP w20: STR_SWA7.NO1@5415,10527 5633,10527 5722,10616 5773,10616 5834,10677 5834,10699 STR_RsSWA7.1@5916.91,10699
NetSTR_RpuSWB5_1: STR_RpuSWB5.1 STR_RsSWB5.1 STR_SWB5.NO1 | length 727
  1-TOP w20: v1@5958.91,13307.09 STR_RsSWB5.1@6455,13307.09 STR_RpuSWB5.1@6455,13384
  3-SIGNAL w20: v1(5957,13301) STR_SWB5.NO1@5957,13455
NetSTR_RpuSWE8_1: STR_RpuSWE8.1 STR_RsSWE8.1 STR_SWE8.NO1 | length 1376.1
  1-TOP w20: v1@6357,11090 6357,11207 6472.09,11322.09 STR_RsSWE8.1@6540,11322.09 ; STR_RpuSWE8.1@6506,11400.91 6506,11328 STR_RsSWE8.1@6510,11324
  3-SIGNAL w20: STR_SWE8.NO1@5754,10529.04 6007.04,10529.04 6350,10872 6350,11081 v1@6352,11083
  other v1: 6359,11083
NetSTR_RpuSWE9_1: STR_RpuSWE9.1 STR_RsSWE9.1 STR_SWE9.NO1 | length 593.3
  1-TOP w20: STR_SWE9.NO1@5987,10382 6082,10477 6384.09,10477 STR_RsSWE9.1@6495,10587.91
  other v1: 6503,10582
NetSTR_RpuSWE10_1: STR_RpuSWE10.1 STR_RsSWE10.1 STR_SWE10.NO1 | length 267.8
  1-TOP w20: STR_SWE10.NO1@6535,10369 6535,10452.91 STR_RsSWE10.1@6665,10582.91
  other v1: 6666,10580
NetSTR_RpuSWE11_1: STR_RpuSWE11.1 STR_RsSWE11.1 STR_SWE11.NO1 | length 362.4
  1-TOP w20: STR_RsSWE11.1@6790,10582.91 6790,10568 6883,10475 6966,10475 STR_SWE11.NO1@7060,10381
  other v1: 6788,10579
NetSTR_RsBuz_2: STR_RsBuz.2 STR_Rvarbuz.2 | length 370.3
  1-TOP w20: STR_RsBuz.2@7612.09,13205 7807,13205 STR_Rvarbuz.2@7931,13081
NetSTR_USB_A_1: STR_USB_A.1 STR_USB_fils.1 | length 209
  1-TOP w50: STR_USB_fils.1@7510,11870 STR_USB_A.1@7719,11870
NetSTR_USB_A_2: STR_USB_A.2 STR_USB_fils.2 | length 201.7
  1-TOP w50: STR_USB_fils.2@7510,11970 7615,11970 7636,11949 STR_USB_A.2@7703,11949
NetSTR_USB_A_3: STR_USB_A.3 STR_USB_fils.3 | length 208.7
  1-TOP w50: STR_USB_fils.3@7510,12070 7665,12070 STR_USB_A.3@7703,12032
NetSTR_USB_A_4: STR_USB_A.4 STR_USB_fils.4 | length 200.9
  1-TOP w50: STR_USB_fils.4@7510,12170 7660,12170 STR_USB_A.4@7696,12134
PRO_BP_CALIBRATION: IHM.12 PRO_RpuBPE12.1 PRO_RsBPE12.1 | length 10878.2
  1-TOP w20: PRO_RsBPE12.1@6808,4818 PRO_RpuBPE12.1@6883.91,4818 ; IHM.12@6955,13765 7005,13815 7005,13905 v1@7070,13970
  3-SIGNAL w20: v1@6896,4814 7857,5775 7857,7494 7774,7577 7774,7987 7815,8028 7815,11497 7963,11645 7963,12315 7843,12435 7843,13172 7968,13297 7968,13772 7769,13971 v1(7071,13971)
  other v1: 6896,4816
PRO_PA1_CODGB: PRO_CcodGB.2 PRO_RCodGB.1 PRO_STM32F4DISCOVERY.11 | length 343.7
  1-TOP w20: PRO_RCodGB.1@5750,4823 5750,4550 PRO_STM32F4DISCOVERY.11@5800,4500
PRO_PA2_U2TX(RFU): PRO_STM32F4DISCOVERY.14 PRO_UART2.3 | length 158.6
  1-TOP w20: PRO_STM32F4DISCOVERY.14@5900,4600 5900,4670 5945,4715 PRO_UART2.3@5970,4715
PRO_PA3_U2RX(RFU): PRO_STM32F4DISCOVERY.13 PRO_UART2.2 | length 414
  1-TOP w20: PRO_STM32F4DISCOVERY.13@5900,4500 5948.5,4548.5 5948.5,4621.5 5984,4657 6025,4657 6041,4673 6041,4747.82 6040,4748.82 6040,4759 6022.5,4776.5 PRO_UART2.2@5989,4810
PRO_PA15_CODGA: PRO_CcodGA.2 PRO_RCodGA.1 PRO_STM32F4DISCOVERY.90 | length 300.6
  1-TOP w20: PRO_RCodGA.1@7080,6387 PRO_CcodGA.2@7161.54,6387 ; PRO_CcodGA.2@7151.5,6401 7151.5,6551.5 PRO_STM32F4DISCOVERY.90@7200,6600
PRO_PB0_COURANTMOTEURG(RFU): PRO_currentMot.2 PRO_STM32F4DISCOVERY.22 | length 298.3
  3-SIGNAL w25: PRO_currentMot.2@6240,4875 6240,4795 6301,4734 6301,4642 PRO_STM32F4DISCOVERY.22@6301,4602
PRO_PB1_COURANTMOTEURD(RFU): PRO_currentMot.3 PRO_STM32F4DISCOVERY.21 | length 387.2
  3-SIGNAL w20: PRO_STM32F4DISCOVERY.21@6316,4506 6350,4540 6350,4865 PRO_currentMot.3@6340,4875
PRO_PB4_CODDA: PRO_CcodDB.2 PRO_RCodDB.1 PRO_STM32F4DISCOVERY.75 | length 209
  1-TOP w20: PRO_RCodDB.1@6500,6291 PRO_STM32F4DISCOVERY.75@6500,6500
PRO_PB5_CODDB: PRO_CcodDA.2 PRO_RCodDA.1 PRO_STM32F4DISCOVERY.76 | length 311.1
  1-TOP w20: PRO_STM32F4DISCOVERY.76@6500,6600 6551,6549 PRO_RCodDA.1@6551,6310
PRO_PB6_U1TX: PRO_RsU1tx.2 PRO_STM32F4DISCOVERY.73 | length 2098.8
  3-SIGNAL w20: v1(4840,7176) 4817,7153 4817,6883 4986,6714 5479,6714 6289,6714 6350,6653 6350,6543 PRO_STM32F4DISCOVERY.73@6391,6502
PRO_PB7_U1RX: PRO_Cu1rx.2 PRO_RpuU1rx.1 PRO_Rsu1rx.1 PRO_STM32F4DISCOVERY.74 | length 1897.3
  1-TOP w20: PRO_Rsu1rx.1@4842.09,6871.09 PRO_Rsu1rx.1@4842.09,6875 PRO_RpuU1rx.1@4842.09,6975 ; PRO_STM32F4DISCOVERY.74@6402,6597 6405,6600 PRO_Cu1rx.2@6405,6686.54
  3-SIGNAL w20: v1@4864,6923 5008,6779 6277,6779 6400,6656 PRO_STM32F4DISCOVERY.74@6400,6600
  other v1: 4866,6925
PRO_PB12_GYRO: PRO_gyro.4 PRO_STM32F4DISCOVERY.36 | length 298.7
  1-TOP w20: PRO_gyro.4@6990.01,4338.01 6990.01,4373.99 6951,4413 6951,4547 PRO_STM32F4DISCOVERY.36@7003,4599
PRO_PB13_GYRO: PRO_gyro.3 PRO_STM32F4DISCOVERY.37 | length 163.4
  1-TOP w20: PRO_gyro.3@7090.01,4338.01 7090.01,4483.01 PRO_STM32F4DISCOVERY.37@7103,4496
PRO_PB14_GYRO: PRO_gyro.2 PRO_STM32F4DISCOVERY.38 | length 288.5
  1-TOP w20: PRO_STM32F4DISCOVERY.38@7100,4600 7150,4550 7150,4386 PRO_gyro.2@7188,4348
PRO_PB15_GYRO: PRO_gyro.1 PRO_STM32F4DISCOVERY.39 | length 168.5
  1-TOP w20: PRO_STM32F4DISCOVERY.39@7200,4500 7200,4456 PRO_gyro.1@7288,4368
PRO_PC1_CAPTEUR: PRO_CfDTc1.2 PRO_RfDTc1.2 PRO_STM32F4DISCOVERY.7 | length 1469.2
  1-TOP w20: v1@4679,4855 4691.09,4867.09 PRO_RfDTc1.2@4691.09,4962 ; PRO_CfDTc1.2@5588,4403 5600,4415 PRO_STM32F4DISCOVERY.7@5600,4500
  3-SIGNAL w20: v1@4674,4847 4834,4687 4834,4509 4941,4402 5502,4402 PRO_STM32F4DISCOVERY.7@5600,4500
  other v1: 4676,4854
PRO_PC2_CAPTEUR: PRO_CfDTc2.2 PRO_RfDTc2.2 PRO_STM32F4DISCOVERY.10 | length 2609.5
  1-TOP w20: PRO_CfDTc2.2@5673.46,4705 5702,4676.46 ; PRO_STM32F4DISCOVERY.10@5700,4600 5700,4677
  3-SIGNAL w20: v1@4703,6323 4843,6183 4843,4849 5031,4661 5638,4661 5699,4600 PRO_STM32F4DISCOVERY.10@5700,4600
  other v1: 4700,6316
PRO_PC3_CAPTEUR: PRO_CfDTc3.2 PRO_RfDTc3.2 PRO_STM32F4DISCOVERY.9 | length 2028
  1-TOP w20: PRO_CfDTc3.2@5696.54,4400 PRO_STM32F4DISCOVERY.9@5696.54,4490.54
  3-SIGNAL w20: v1@4712,5650 4687,5625 4687,4915 4702,4900 4702,4899 5050,4551 5619.58,4551 ; 5613,4551 5649,4551 PRO_STM32F4DISCOVERY.9@5700,4500
  other v1: 4710,5651
PRO_PC4_CAPTEUR: PRO_CfDTc4.2 PRO_RfDTc4.2 PRO_STM32F4DISCOVERY.20 | length 1839.7
  1-TOP w20: PRO_CfDTc4.2@6192,4706 6200,4698 PRO_STM32F4DISCOVERY.20@6200,4600
  3-SIGNAL w20: v1@4690,4394 4730,4354 6128,4354 6151.5,4377.5 6151.5,4551.5 PRO_STM32F4DISCOVERY.20@6200,4600
  other v1: 4689,4395
PRO_PC8_MOTD: PRO_Motors.2 PRO_STM32F4DISCOVERY.95 | length 2535.5
  3-SIGNAL w20: PRO_Motors.2@5095,6220.39 5121.39,6194 6891,6194 7092,6395 7402,6395 PRO_STM32F4DISCOVERY.95@7497,6490
PRO_PC9_MOTG: PRO_Motors.5 PRO_STM32F4DISCOVERY.96 | length 3008.3
  3-SIGNAL w20: PRO_Motors.5@4995,6070 4995,6004 5050,5949 5154,5949 5281,6076 6930,6076 7188,6334 7419,6334 7551,6466 7551,6563 PRO_STM32F4DISCOVERY.96@7514,6600
PRO_PC11_SENSMOTD: PRO_Motors.1 PRO_STM32F4DISCOVERY.88 | length 2376
  3-SIGNAL w20: PRO_Motors.1@4995,6270 5044,6319 5169,6319 5252,6236 6860,6236 7051,6427 7051,6551 PRO_STM32F4DISCOVERY.88@7095,6595
PRO_PC12_SENSMOTG: PRO_Motors.6 PRO_STM32F4DISCOVERY.85 | length 2259.4
  1-TOP w20: v1@7000,6218 7000,6415 PRO_STM32F4DISCOVERY.85@7000,6500
  3-SIGNAL w20: PRO_Motors.6@5095,6020 5116,6020 5241,6145 6911,6145 v1@6988.5,6222.5
  other v1: 7000,6229
PRO_PC13_WHO_AM_I: PRO_RdwnWAmI.2 PRO_RupWAmI.1 PRO_STM32F4DISCOVERY.62 | length 185.8
  1-TOP w20: PRO_RupWAmI.1@5757.09,6710 PRO_RdwnWAmI.2@5816,6710 ; PRO_STM32F4DISCOVERY.62@5797,6598 5832.91,6633.91 PRO_RdwnWAmI.2@5832.91,6710
PRO_PD0_CANRX: PRO_STM32F4DISCOVERY.86 PRO_Ucan.4 | length 145.5
  1-TOP w20: PRO_STM32F4DISCOVERY.86@7007,6609 7065,6667 PRO_Ucan.4@7065,6730.51
PRO_PD1_CANTX: PRO_STM32F4DISCOVERY.83 PRO_Ucan.1 | length 260.5
  1-TOP w20: PRO_STM32F4DISCOVERY.83@6903,6504 6922.5,6523.5 6950,6551 6950,6648 6915,6683 PRO_Ucan.1@6915,6730.51
PRO_PD10_ERROR: PRO_Rderror.1 PRO_STM32F4DISCOVERY.42 | length 702.4
  1-TOP w20: PRO_STM32F4DISCOVERY.42@7300,4600 7300,4888 PRO_Rderror.1@7593,5181
PRO_PD11_SELFTEST: PRO_Rdselftest.1 PRO_STM32F4DISCOVERY.43 | length 516.2
  1-TOP w20: PRO_STM32F4DISCOVERY.43@7400,4500 7450,4550 7450,4789 PRO_Rdselftest.1@7596,4935
PRO_PD12_RUN: PRO_Rdrun.1 PRO_STM32F4DISCOVERY.44 | length 527.4
  1-TOP w20: PRO_STM32F4DISCOVERY.44@7400,4600 7400,4870 PRO_Rdrun.1@7582,5052
PRO_PD13_CAN: PRO_Rdcan.1 PRO_STM32F4DISCOVERY.45 | length 255.7
  1-TOP w20: PRO_STM32F4DISCOVERY.45@7500,4500 7550,4550 7550,4660 PRO_Rdcan.1@7603,4713
PRO_PD14_UART: PRO_Rduart.1 PRO_STM32F4DISCOVERY.46 | length 277
  1-TOP w20: PRO_STM32F4DISCOVERY.46@7500,4600 7500,4737 PRO_Rduart.1@7599,4836
PRO_PD15_USER: PRO_Rduser.1 PRO_STM32F4DISCOVERY.47 | length 127
  1-TOP w20: PRO_Rduser.1@7600,4373 PRO_STM32F4DISCOVERY.47@7600,4500
PRO_PE7_SW(RFU): PRO_CfswE7.2 PRO_RsSwE7.2 PRO_STM32F4DISCOVERY.25 | length 428.1
  1-TOP w20: PRO_RsSwE7.2@6203.09,4311 6288.09,4396 PRO_CfswE7.2@6446.54,4396 ; PRO_CfswE7.2@6446.54,4378.54 PRO_CfswE7.2@6446.54,4396 ; PRO_CfswE7.2@6446.54,4400 PRO_CfswE7.2@6446.54,4396 ; PRO_CfswE7.2@6448,4400 6448,4448 PRO_STM32F4DISCOVERY.25@6500,4500 ; PRO_CfswE7.2@6453,4396 PRO_CfswE7.2@6446.54,4396
PRO_PE8_SW(RFU): PRO_CfswE8.2 PRO_RsSwE8.2 PRO_STM32F4DISCOVERY.26 | length 1188.9
  1-TOP w20: PRO_STM32F4DISCOVERY.26@6500,4601 PRO_CfswE8.2@6500,4706.54
  3-SIGNAL w20: v1(5615,4303) 6320,4303 6451.5,4434.5 6451.5,4555.5 PRO_STM32F4DISCOVERY.26@6502,4606
PRO_PE9_SW(RFU): PRO_CfswE9.2 PRO_RsSwE9.2 PRO_STM32F4DISCOVERY.27 | length 216.7
  1-TOP w20: PRO_STM32F4DISCOVERY.27@6600,4500 6603,4500 6665,4438 PRO_RsSwE9.2@6665,4312
PRO_PE12_CALIBRATION: PRO_CBPE12.2 PRO_RsBPE12.2 PRO_STM32F4DISCOVERY.30 | length 200.3
  1-TOP w20: PRO_STM32F4DISCOVERY.30@6703,4604 6703,4706 6706.09,4702.91 PRO_RsBPE12.2@6800,4702.91
PRO_U1RX: PRO_JPr.2 PRO_Rsu1rx.2 PRO_UART1.4 | length 7924.4
  4-BOT w20: PRO_JPr.2@4404,13987 4281,13987 4052,13758 4052,11171 4258,10965 4258,10731 4109,10582 4109,7976 4372,7713 4372,7235 4470,7137 ; PRO_UART1.4@4520.01,7128.01 4478.99,7128.01 4470,7137 ; v1@4724,6881 4516,6881 4442,6955 4442,7109 4470,7137
  other v1: 4717,6876
PRO_U1TX: PRO_JPt.2 PRO_RpuU1tx.1 PRO_RsU1tx.1 PRO_UART1.3 | length 7691.1
  1-TOP w20: PRO_UART1.3@4619,7183 4718,7183 4727.91,7173.09 PRO_RpuU1tx.1@4727.91,7075
  4-BOT w20: PRO_JPt.2@4510,13990 4436,13916 4258,13916 4098,13756 4098,11208 4303,11003 4303,10714 4159,10570 4159,7991 4693,7457 4693,7220 PRO_UART1.3@4644,7171